# Altium PCB Audio_PCB.PcbDoc (part 1 of 2)
Units mm, origin at the board's own origin, x right, y up, seen from the top; angles counter-clockwise.
Board outline 165.1 x 127 mm, 4 copper layers (Top Layerr(SIG), Layer 2(GND), Layer 3(GND), Bottom Layer(SIG)), stack 1.56 mm thick; 140 components, 126 nets, 570 pads, 267 vias.
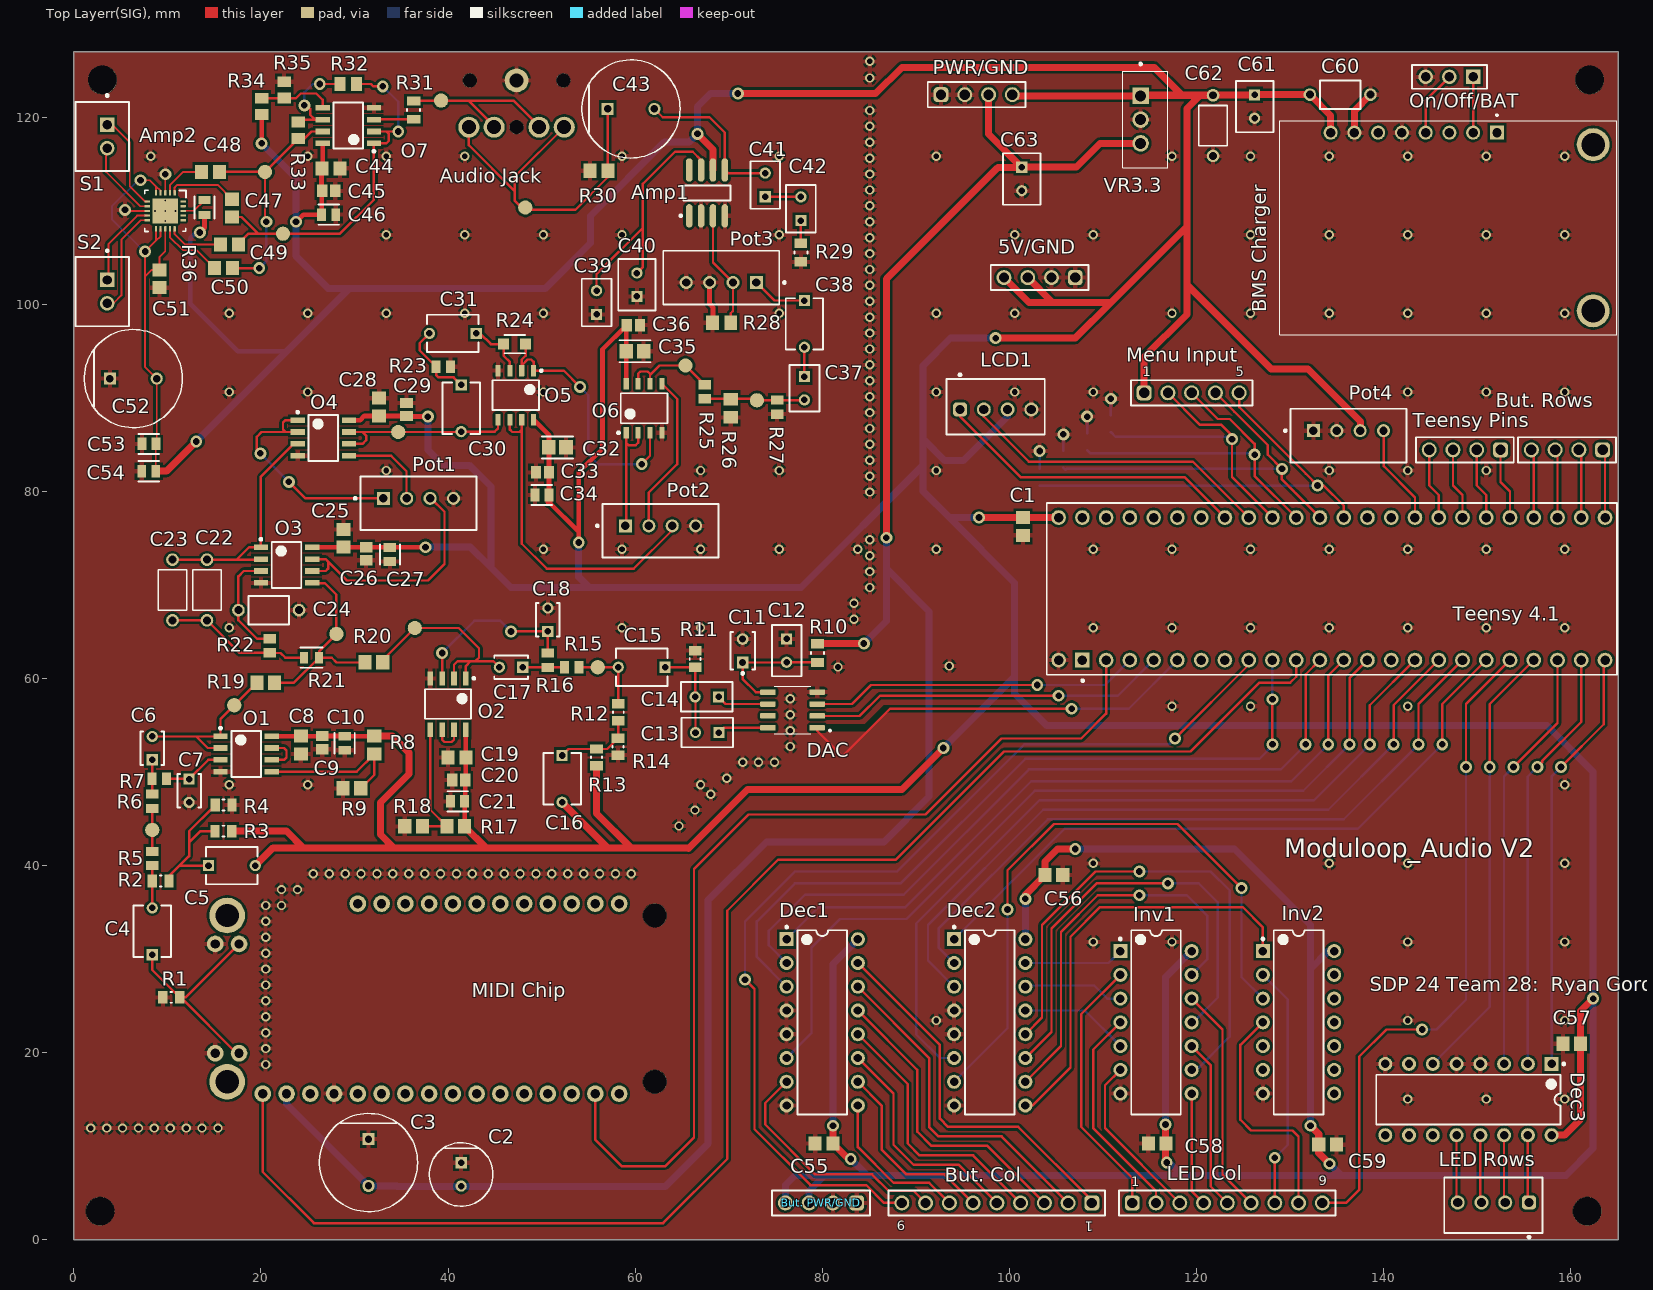
[diagram p0: Top Layerr(SIG) view]
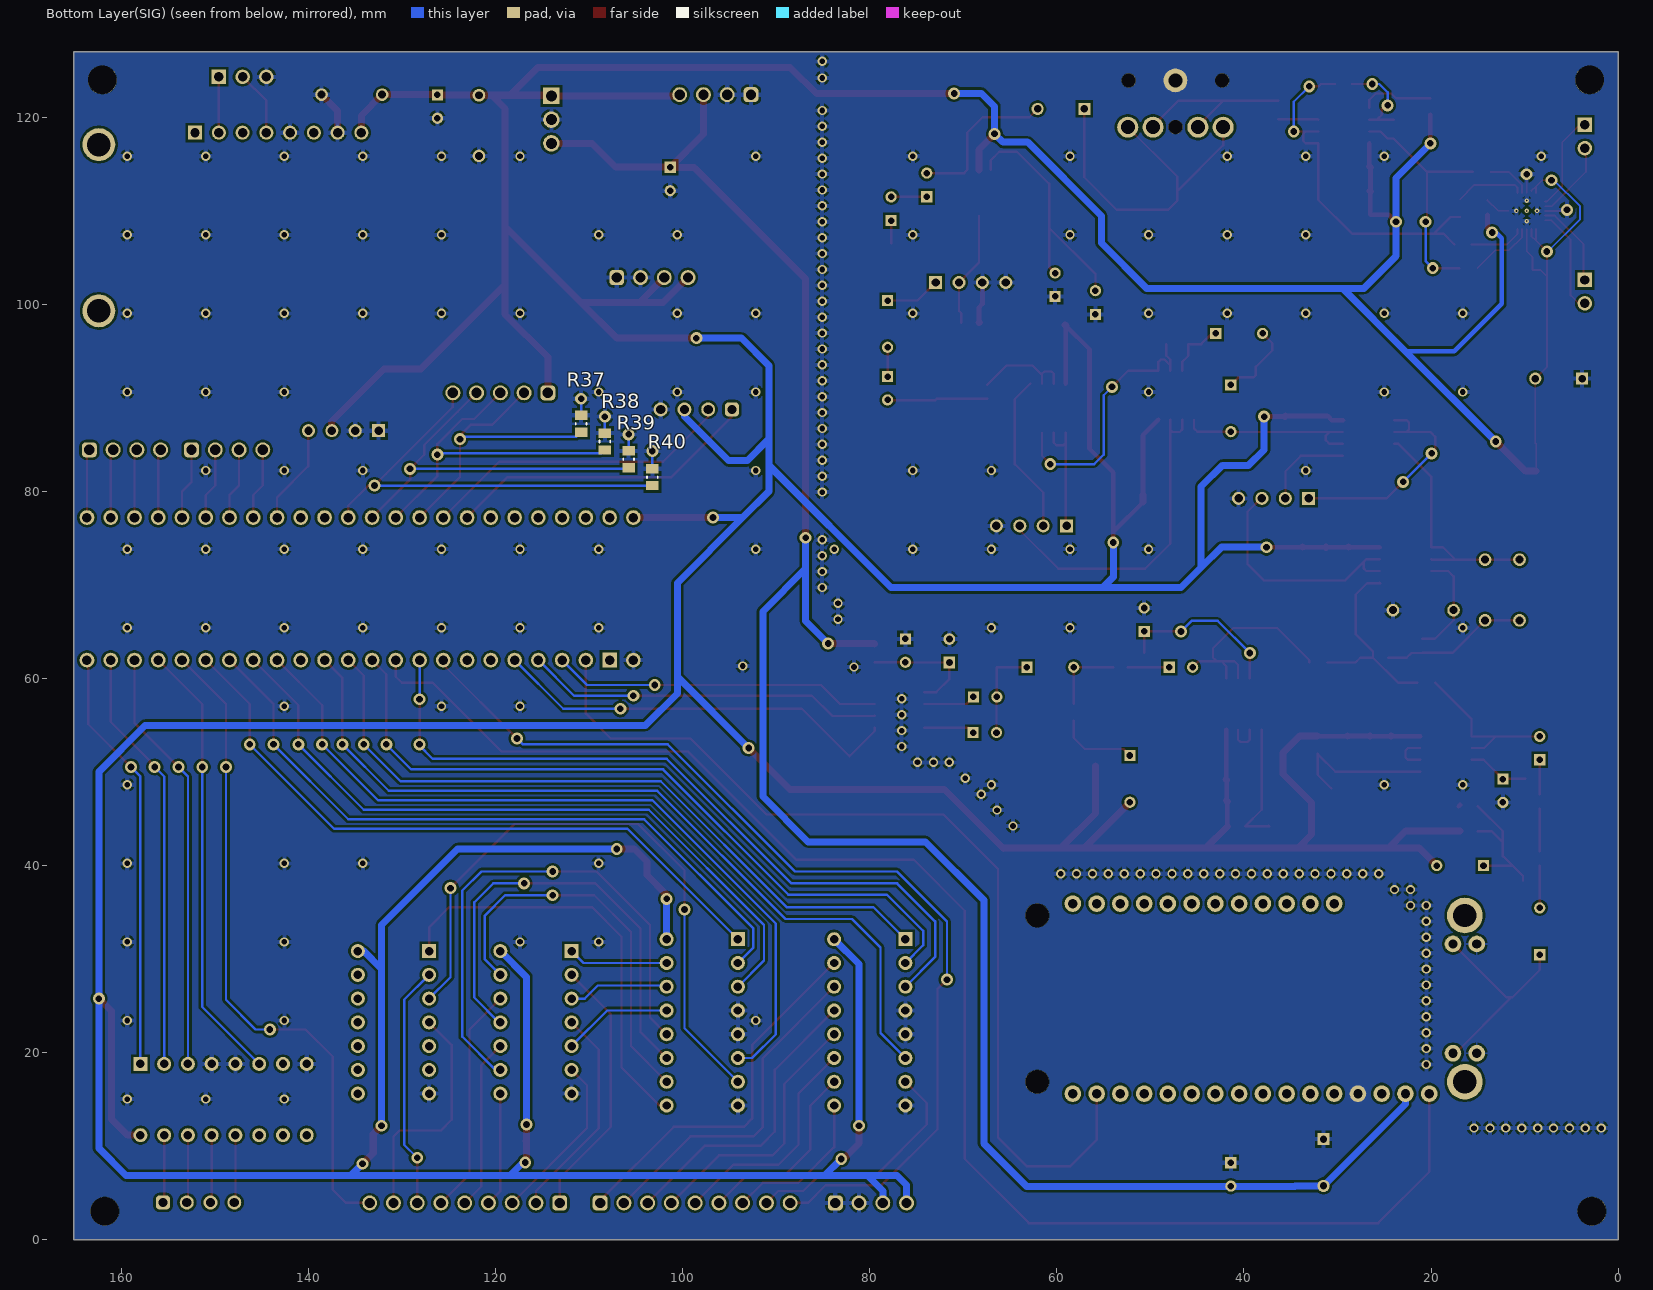
[diagram p1: Bottom Layer(SIG) view, seen from below]
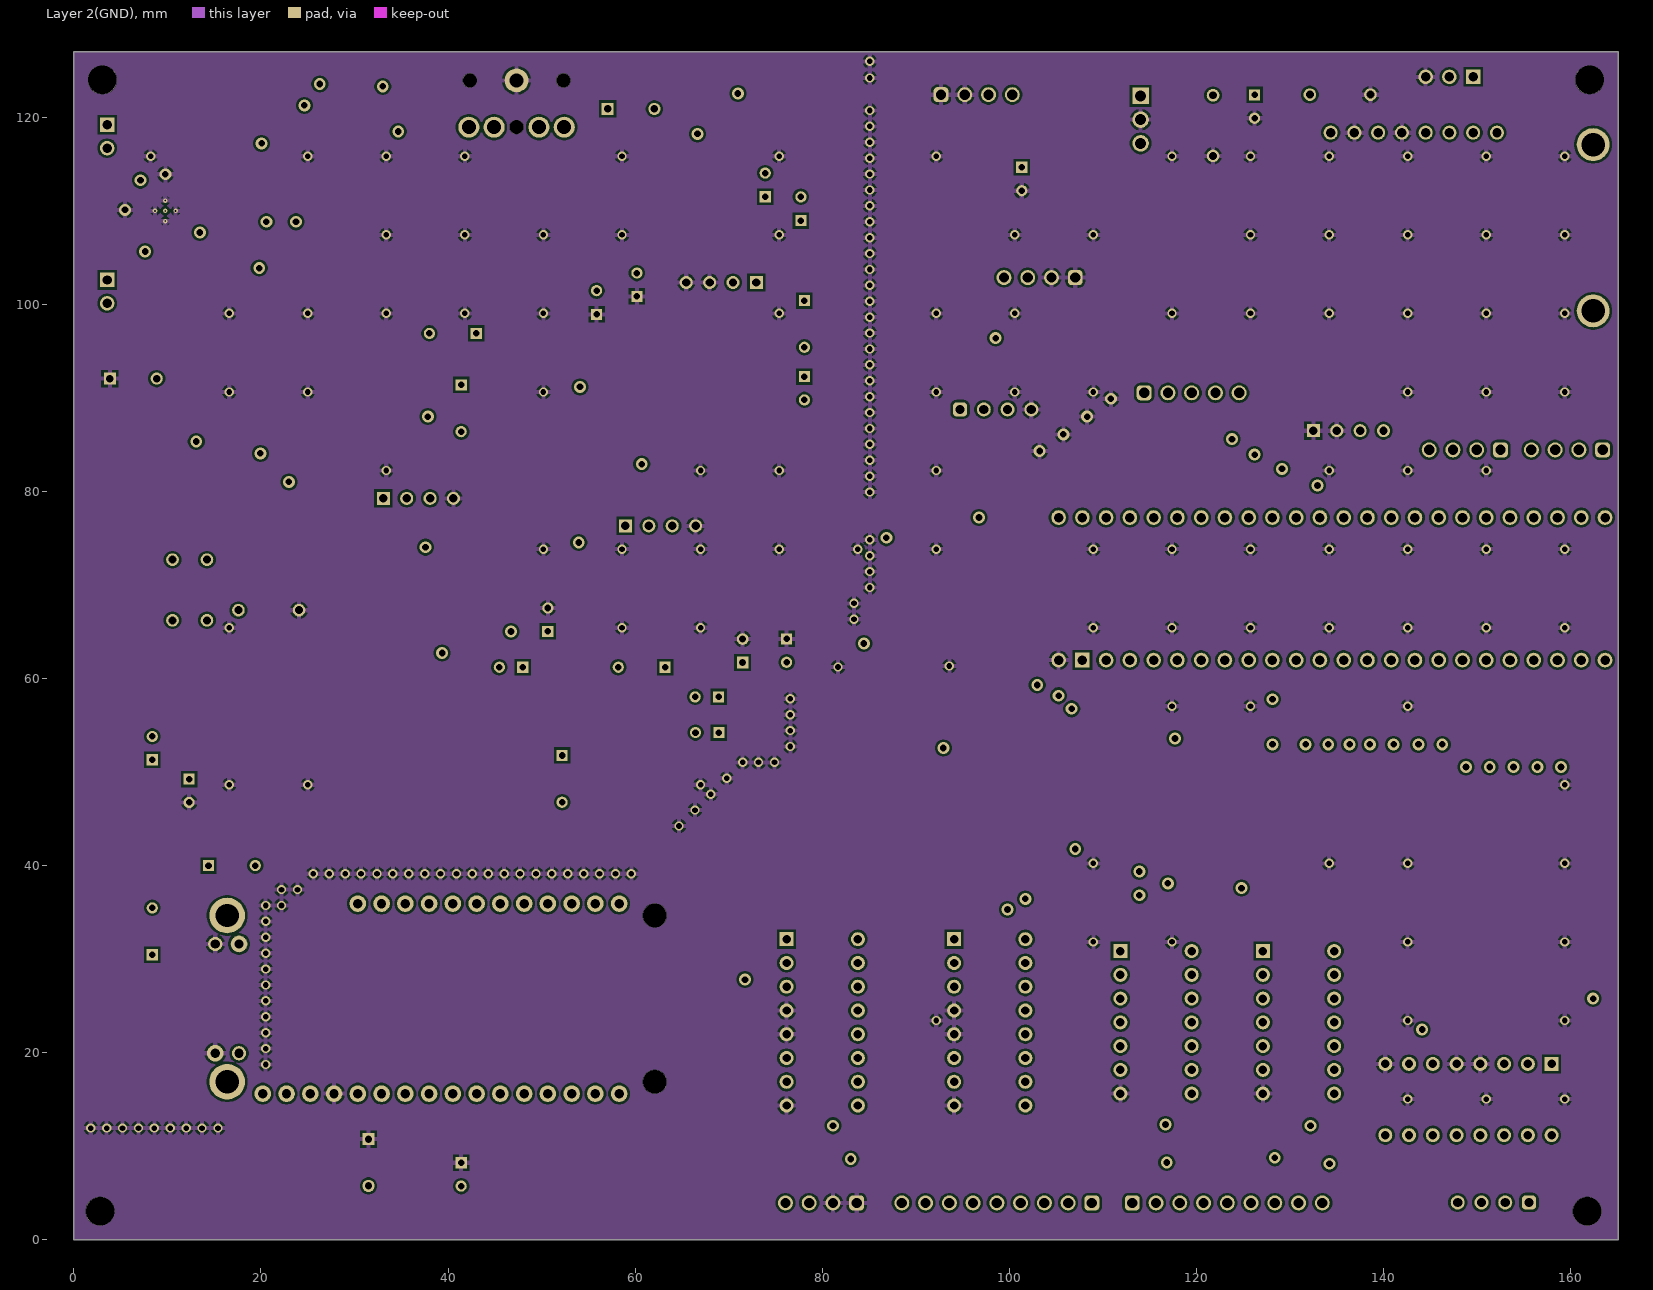
[diagram p2: Layer 2(GND)]
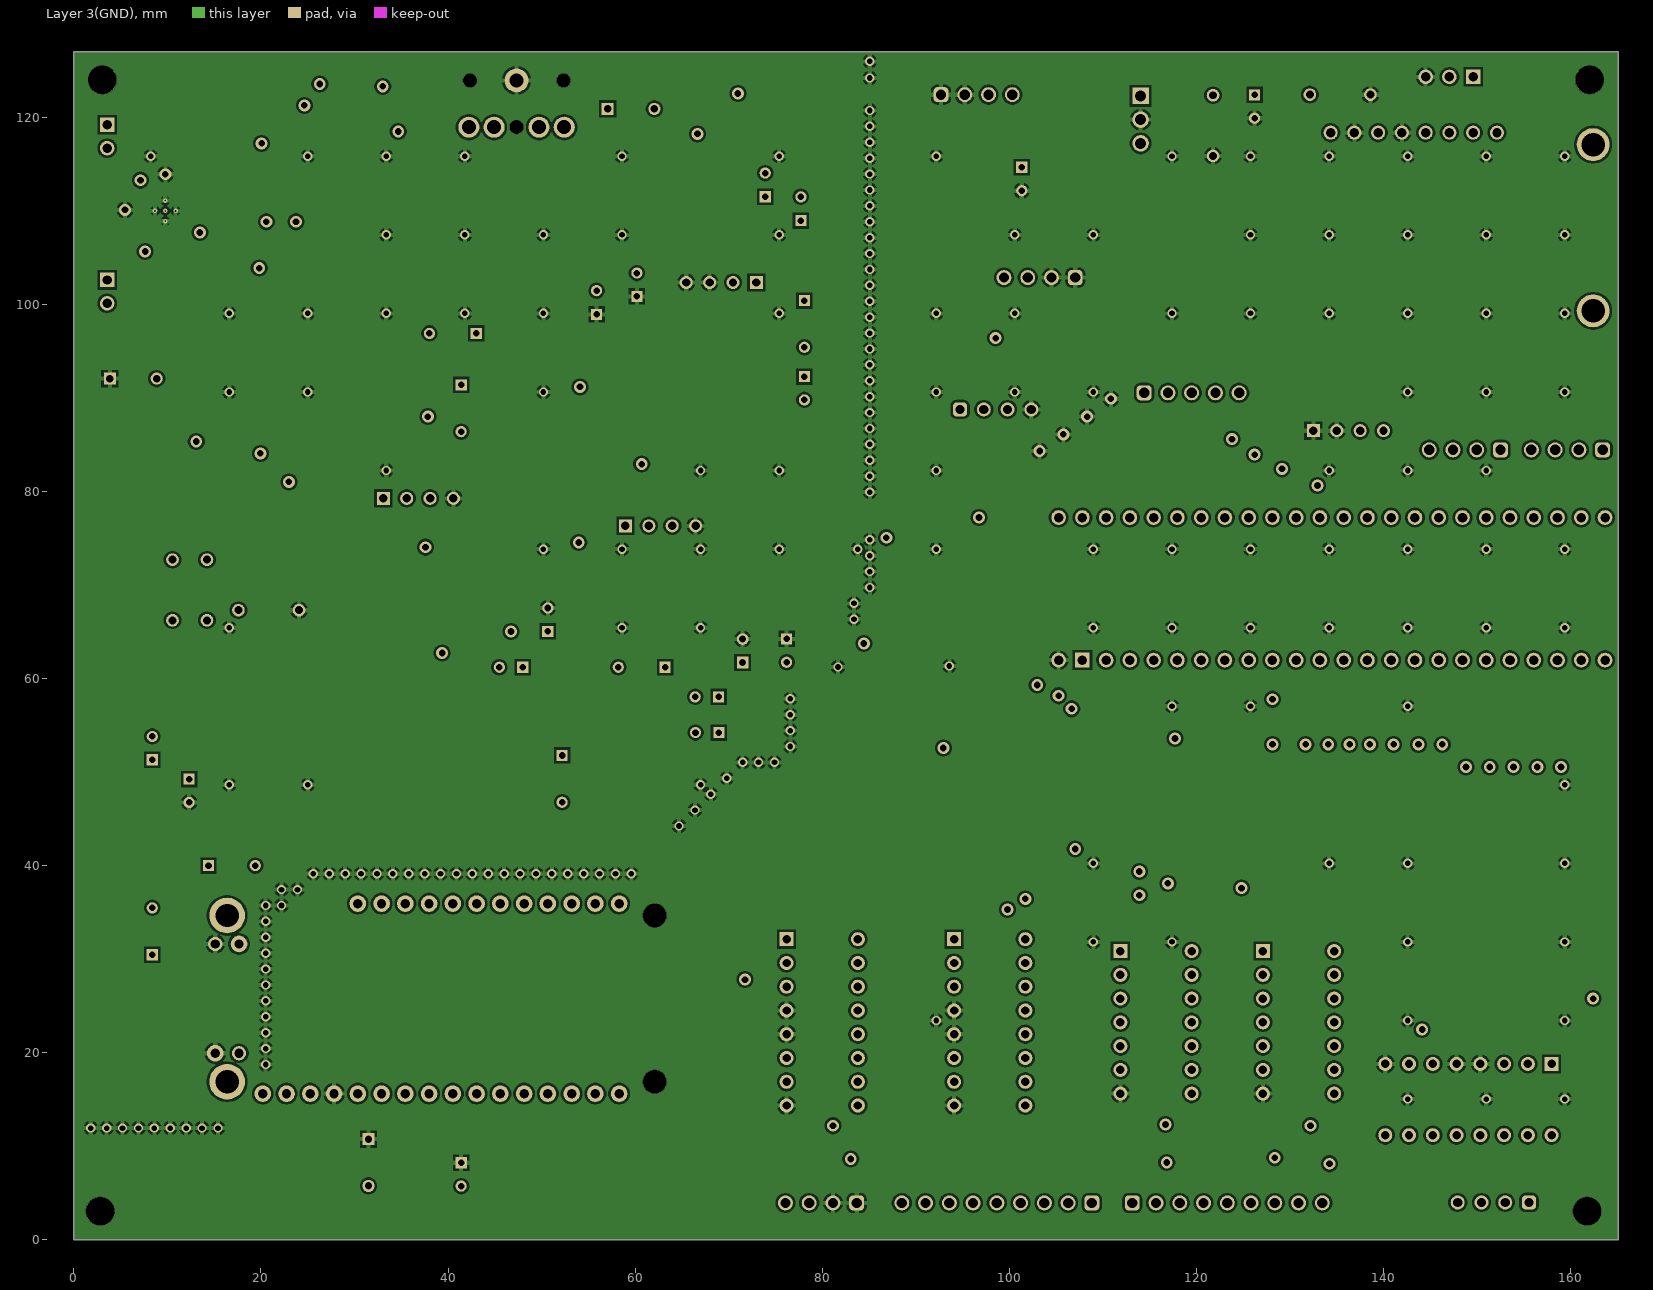
[diagram p3: Layer 3(GND)]

## Layer stack, top to bottom
Top Solder: solder mask 0.0102, Solder Resist, Dk 3.5
Top Layerr(SIG): signal copper 0.0356
Dielectric 2: prepreg 0.2134, PP-006, Dk 4.1
Layer 2(GND): signal copper 0.0356
Dielectric 1: dielectric 0.9906, FR-4, Dk 4.8
Layer 3(GND): signal copper 0.0356
Dielectric 3: prepreg 0.2134, PP-006, Dk 4.1
Bottom Layer(SIG): signal copper 0.0356
Bottom Solder: solder mask 0.0102, Solder Resist, Dk 3.5

## Board outline
165.1,127 0,127 0,0 165.1,0

## Design rules (kind name [scope] priority, off if disabled: settings)
Clearance [All] p1: gap=0.254 ignorepadtopadclearanceinfootprint=TRUE except(0: Arc-Hole Track-Hole SMDPad-Hole THPad-Hole Via-Hole Fill-Hole Poly-Hole Region-Hole Text-Hole; 0.2: SMDPad-Via THPad-THPad)
HoleSize [All] p1: absolutevalues=TRUE maxlimit=3.5 minlimit=0.025 maxpercent=80.000 minpercent=20.000
MinimumSolderMaskSliver MinimumSolderMaskSliver_2 [InComponent('Audio Jack') or InComponent('C20') or InComponent('C26') or InComponent('C29') or InComponent('C33') or InComponent('C36') or InComponent('C45') or InComponent('C9')] p1: minsoldermaskwidth=0.095
MinimumSolderMaskSliver [HasFootprint('RTJ0020D_V')] p2: minsoldermaskwidth=0.045
MinimumSolderMaskSliver MinimumSolderMaskSliver_1 [All] p3: minsoldermaskwidth=0.254
PolygonConnect [All] p1: connectstyle=Relief reliefconductorwidth=0.5 reliefentries=4 polygonreliefangle="90 Angle" airgapwidth=0.254
RoutingVias [All] p1: holewidth=0.711 width=1.27 viastyle="Through Hole" minholewidth=0 minwidth=1 maxholewidth=3.5 maxwidth=3.5
SilkToSolderMaskClearance [IsPad] p1: minsilkscreentomaskgap=0.2 clearancetoexposedcopper=TRUE
SolderMaskExpansion [All] p1: expansion=0.102 istentingtop=FALSE
Width Width_1 [(InNet('3.3V') OR InNet('+5') OR InNet('GND') OR InNet('NETBMS Charger_8') OR InNet('NetC7_1'))] p1: maxlimit=0.75 minlimit=0.2 preferedwidth=0.75 midlayer1_maxwidth=0.254 midlayer1_prefwidth=0.254 midlayer2_maxwidth=0.254 midlayer2_prefwidth=0.254 minimp=50.000000 maximp=50.000000 favimp=50.000000
Width [All] p2: maxlimit=0.254 minlimit=0.2 preferedwidth=0.254 minimp=50.000000 maximp=50.000000 favimp=50.000000
27 further rules are at their usual default settings.

## Classes and differential pairs
component class "High Pass Filter": C30 C31 C32 C33 C34 C35 C36 O5 O6 Pot2 R23 R24
component class Amplifier-TPA2016D2: Amp2 C44 C45 C46 C47 C48 C49 C50 C51 C52 C53 C54 O7 R31 R32 R33 R34 R35 R36 S1 S2
component class "Mixer to Low Pass Filter": C22 C23 C24 C25 C26 C27 C28 C29 O3 O4 Pot1 R19 R20 R21 R22
component class MIDI: C2 C3 C4 C5 C6 C7 C8 C9 C10 "MIDI Chip" O1 R1 R2 R3 R4 R5 R6 R7 R8 R9
component class LCD-Battery: 5V/GND "BMS Charger" "But. PWR/GND" C60 C61 C62 C63 LCD1 "Menu Input" On/Off/BAT Pot4 PWR/GND R37 R38 R39 R40 "Teensy Pins" VR3.3
component class "DAC To LP Filter": C11 C12 C13 C14 C15 C16 C17 C18 C19 C20 C21 DAC O2 R10 R11 R12 R13 R14 R15 R16 R17 R18
component class "Button Decoding": "But. Col" "But. Rows" C55 C56 C57 C58 C59 Dec1 Dec2 Dec3 Inv1 Inv2 "LED Col" "LED Rows"
component class Audio_Moduloop: C1 "Teensy 4.1"
component class Amplifier-LM386: Amp1 "Audio Jack" C37 C38 C39 C40 C41 C42 C43 Pot3 R25 R26 R27 R28 R29 R30

## Components (designator, comment, footprint, x,y, rotation, side; value= is the part's Value field where it differs from the comment)
5V/GND "61300411121" 61300411121 103.251,102.87 r180 top
Amp1 "LM386M-1" TI-D8_M 67.691,111.924 r90 top
Amp2 "TPA2016D2RTJR" RTJ0020D_V 9.771,110.002 r270 top
"Audio Jack" "STX-3120-3B" STX3100 47.424,126.652 r270 top
"BMS Charger" "BMS Charger" MODULE_2465 146.939,108.204 r180 top
"But. Col" "Button_Col" 61300911121 98.679,3.937 r180 top
"But. PWR/GND" "61300411121" 61300411121 79.883,3.937 r180 top
"But. Rows" "61300411121" 61300411121 159.639,84.455 r180 top
C1 "0.1 uf" CAPC2013X135X45ML10T25 101.473,76.266 r270 top
C2 "330 uf" FP-RAD-TH-D_6_3_0_5-L_11-MFG 41.402,6.985 r270 top
C3 "470 uf" FP-RAD-TH-D_10_0_5-L_16_1-MFG 31.496,8.255 r270 top
C4 "22 uf" FP-RCEWM1-MFG 8.382,32.98 r90 top
C5 "22 uf" FP-RCEWM1-MFG 16.891,40.005 r0 top
C6 "2.2 nf" FP-RCE0DB-MFG 8.382,52.558 r90 top
C7 "1 nf" FP-RCE0DB-MFG 12.319,48.006 r270 top
C8 "0.1 uf" CAPC2013X135X45ML10T25 24.257,52.893 r270 top
C9 "1 uf" CAPC2013X145X50LL20T25 26.543,53.151 r270 top
C10 "10 uf" FP-C0805C-DG-MFG 28.956,53.086 r270 top value=10uF
C11 "0.1 uf" VISH-K104K15X7RF5TL2 71.501,62.972 r90 top
C12 "47 uf" FP-RCE2A2-MFG 76.2,62.992 r270 top
C13 "47 uf" FP-RCE2A2-MFG 67.711,54.229 r180 top
C14 "47 uf" FP-RCE2A2-MFG 67.671,58.039 r180 top
C15 "22 uf" FP-RCEWM1-MFG 60.706,61.214 r180 top
C16 "22 uf" FP-RCEWM1-MFG 52.197,49.276 r270 top
C17 "2.2 nf" FP-RCE0DB-MFG 46.736,61.214 r180 top
C18 "1 nf" FP-RCE0DB-MFG 50.673,66.294 r90 top
C19 "0.1 uf" CAPC2013X135X45ML10T25 40.96,51.562 r180 top
C20 "1 uf" CAPC2013X145X50LL20T25 41.148,49.149 r180 top
C21 "10 uf" FP-C0805C-DG-MFG 41.021,46.863 r180 top value=10uF
C22 "4.7nf" AVX-SA115C104KAR 14.224,69.469 r90 top
C23 "1 nf" AVX-SA115C104KAR 10.541,69.469 r90 top
C24 "2.2 nf" AVX-SA115C104KAR 20.828,67.31 r180 top
C25 "0.1 uf" CAPC2013X135X45ML10T25 28.829,74.996 r90 top
C26 "1 uf" CAPC2013X145X50LL20T25 31.242,73.344 r270 top
C27 "10 uf" FP-C0805C-DG-MFG 33.782,73.267 r90 top value=10uF
C28 "0.1 uf" CAPC2013X135X45ML10T25 32.639,89.027 r90 top
C29 "1 uf" CAPC2013X145X50LL20T25 35.56,88.773 r90 top
C30 "4.7 nf" FP-RCEWM1-MFG 41.402,88.9 r270 top
C31 "4.7 nf" FP-RCEWM1-MFG 40.513,96.901 r180 top
C32 "0.1 uf" FP-CL21-IPC_A 51.689,84.709 r0 top
C33 "1 uf" CAPC2013X145X50LL20T25 50.1,82.042 r180 top
C34 "10 uf" FP-C0805C-DG-MFG 50.038,79.629 r180 top value=10uF
C35 "0.1 uf" FP-CL21-IPC_A 59.981,94.996 r0 top
C36 "1 uf" CAPC2013X145X50LL20T25 59.817,97.79 r0 top
C37 "1uf" FP-K105Z20Y5VF5TL2-MFG 78.105,91.039 r270 top value=1uF
C38 "22 uf" FP-RCEWM1-MFG 78.105,97.917 r270 top
C39 "0.1uf" FP-SR20-MFG 55.88,100.203 r90 top value=100nF
C40 "10uf" FP-RCE3DB-MFG 60.198,102.108 r90 top
C41 "0.1uf" FP-SR20-MFG 73.914,112.776 r90 top value=100nF
C42 "0.1uf" FP-SR20-MFG 77.724,110.236 r90 top value=100nF
C43 "220 uf" FP-RAD-TH-D_10_0_5-L_16_1-MFG 59.563,120.904 r0 top
C44 "0.1 uf" CAPC2013X135X45ML10T25 27.493,114.554 r180 top
C45 "1 uf" CAPC2013X145X50LL20T25 27.239,112.141 r0 top
C46 "10 uf" FP-C0805C-DG-MFG 27.239,109.601 r180 top value=10uF
C47 "0.1 uf" CAPC2013X135X45ML10T25 16.891,110.297 r90 top
C48 "0.1 uf" CAPC2013X135X45ML10T25 14.605,114.173 r180 top
C49 "0.1 uf" CAPC2013X135X45ML10T25 16.637,106.426 r180 top
C50 "0.1 uf" CAPC2013X135X45ML10T25 16.002,103.886 r180 top
C51 "0.1 uf" CAPC2013X135X45ML10T25 9.144,102.743 r90 top
C52 "2200 uf" FP-RAD-TH-D_10_0_5-L_16_1-MFG 6.35,92.075 r0 top
C53 "10 uf" FP-C0805C-DG-MFG 8.013,85.09 r0 top value=10uF
C54 "10 uf" FP-C0805C-DG-MFG 8.001,82.169 r0 top value=10uF
C55 "0.1 uf" CAPC2013X135X45ML10T25 80.203,10.287 r0 top
C56 "0.1 uf" CAPC2013X135X45ML10T25 104.775,38.989 r180 top
C57 "0.1 uf" CAPC2013X135X45ML10T25 160.147,20.955 r0 top
C58 "0.1 uf" CAPC2013X135X45ML10T25 115.824,10.287 r180 top
C59 "0.1 uf" CAPC2013X135X45ML10T25 134.046,10.16 r0 top
C60 "0.1 uf" AVX-SA115C104KAR 135.382,122.428 r0 top
C61 "10 uf" FP-RCE3DB-MFG 126.238,121.158 r270 top
C62 "0.1 uf" AVX-SA115C104KAR 121.793,119.126 r90 top
C63 "10 uf" FP-RCE3DB-MFG 101.346,113.411 r270 top